# Altium PCB HTBLEBMSALL24S100A_PCB_V0.2_260323.pcbdoc (part 6 of 7) (continued)
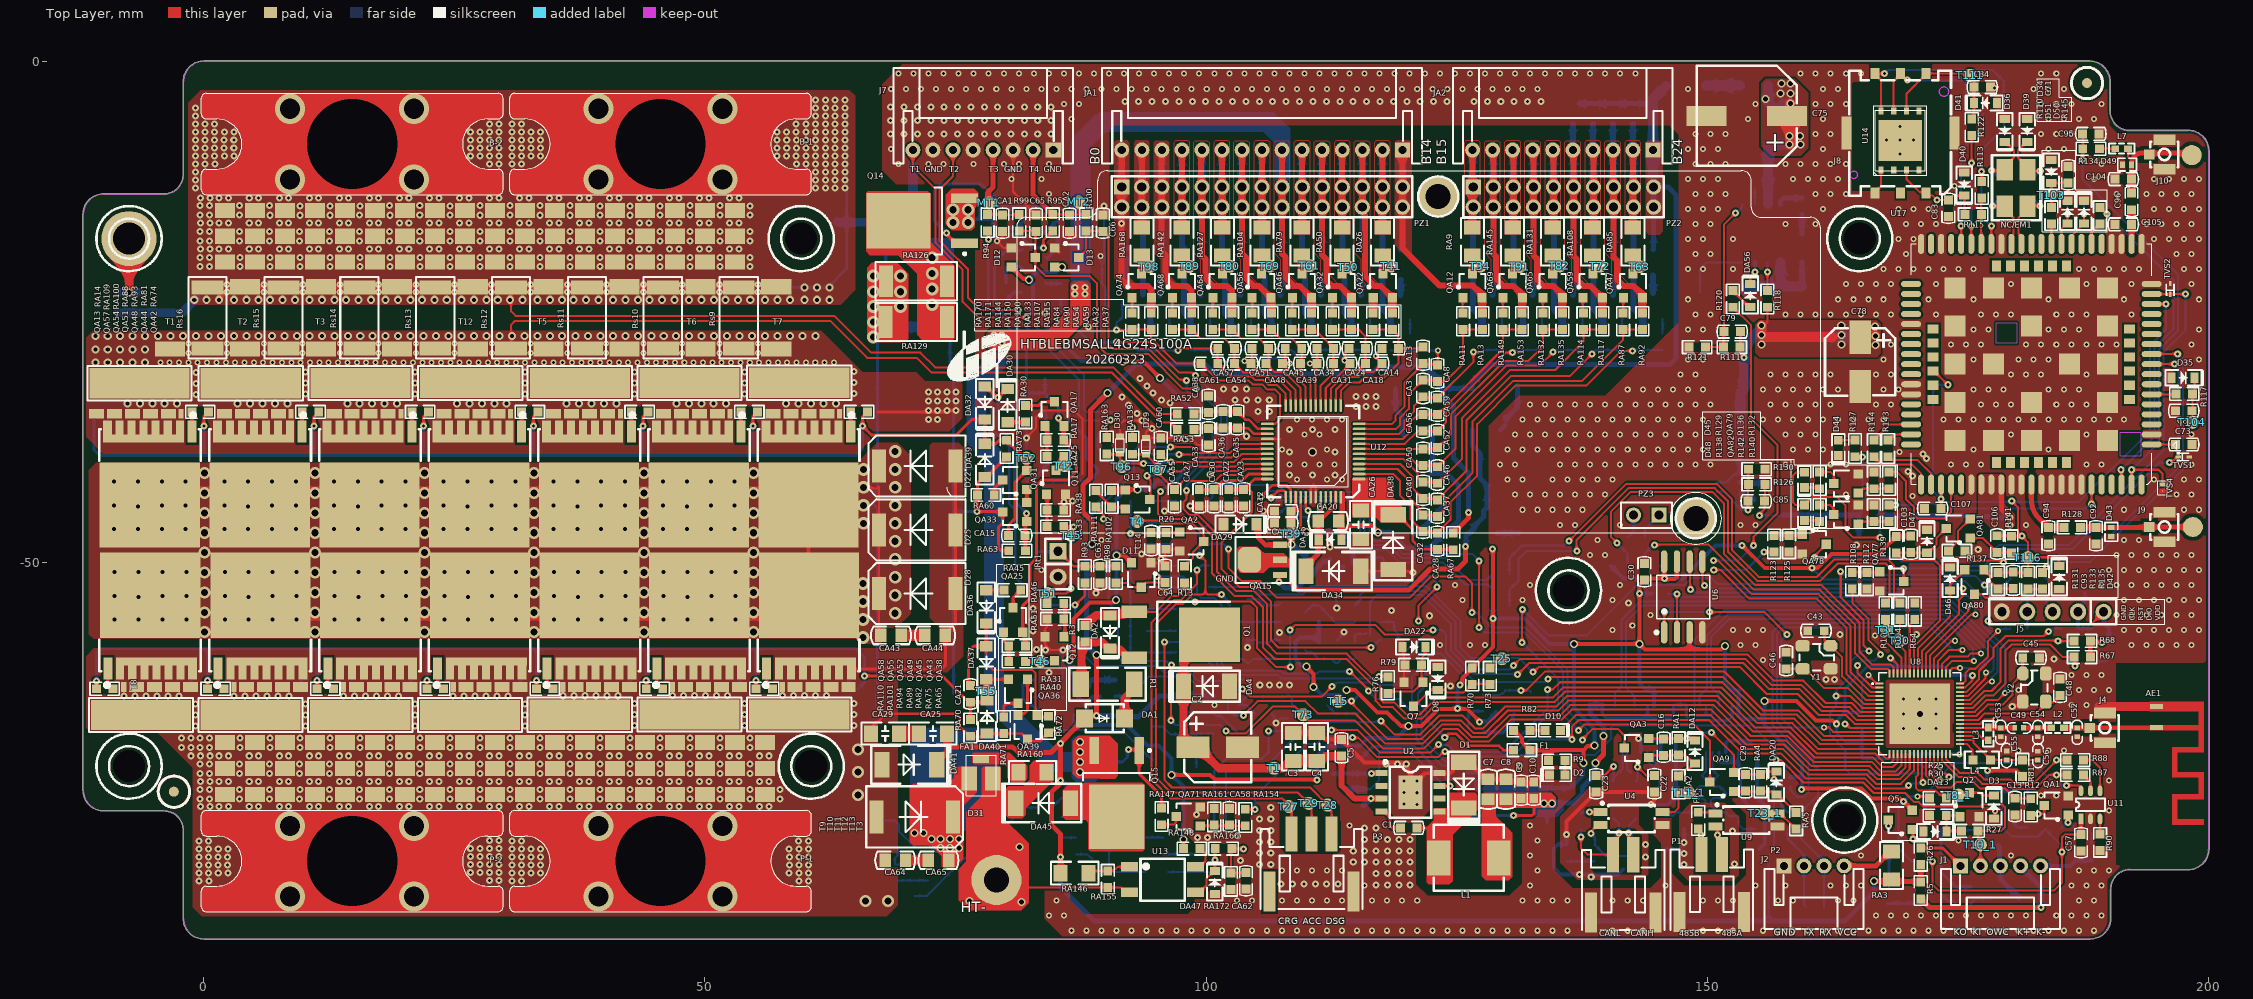
[diagram p0: Top Layer view]
## Nets (pads, with @x,y where several pads share a name; then routed paths per layer and width w, separated by ;. In a path a pad name is that pad's centre, name@x,y a point inside that pad or via, vN(x,y) a via of type N, cw(c..) or ccw(c..) an arc to the next point about the centre after c; other vN are vias at no path point) (continued)
  Bottom Layer w0.2: v1(160.71,-49.49) 168.968,-49.49 169.338,-49.859 177.461,-49.859 179.08,-48.24 186.04,-48.24 195.51,-38.77 195.51,-28.999 197.71,-26.799 v1(197.71,-23.199)
RS: CA41.1 D20.1 D21.1 D23.1 D24.1 D26.1 D27.1 DA39.1 DA42.1 pad.6@2.072,-35.152 pad.6@3.679,-35.147 pad.6@3.864,-35.152 pad.6@4.126,-28.685 pad.6@5.368,-35.147 pad.6@5.656,-35.152 pad.6@7.233,-35.147 pad.6@7.448,-35.152 pad.6@8.718,-35.152 pad.6@9.104,-35.147 pad.6@11.696,-28.685 pad.6@13.017,-35.152 pad.6@14.624,-35.147 pad.6@14.809,-35.152 pad.6@16.313,-35.147 pad.6@16.601,-35.152 pad.6@18.178,-35.147 pad.6@18.393,-35.152 pad.6@19.266,-28.685 pad.6@19.662,-35.152 pad.6@20.049,-35.147 pad.6@23.962,-35.152 pad.6@25.569,-35.147 pad.6@25.754,-35.152 pad.6@26.835,-28.685 pad.6@27.258,-35.147 pad.6@27.546,-35.152 pad.6@29.123,-35.147 pad.6@29.338,-35.152 pad.6@30.608,-35.152 pad.6@30.994,-35.147 pad.6@34.405,-28.685 pad.6@34.907,-35.152 pad.6@36.514,-35.147 pad.6@36.699,-35.152 pad.6@38.203,-35.147 pad.6@38.491,-35.152 pad.6@40.068,-35.147 pad.6@40.283,-35.152 pad.6@41.552,-35.152 pad.6@41.939,-35.147 pad.6@41.974,-28.685 pad.6@45.852,-35.152 pad.6@47.459,-35.147 pad.6@47.643,-35.152 pad.6@49.148,-35.147 pad.6@49.435,-35.152 pad.6@49.544,-28.685 pad.6@51.012,-35.147 pad.6@51.227,-35.152 pad.6@52.497,-35.152 pad.6@52.884,-35.147 pad.6@56.796,-35.152 pad.6@57.113,-28.685 pad.6@58.404,-35.147 pad.6@58.588,-35.152 pad.6@60.38,-35.152 pad.6@60.093,-35.147 pad.6@61.957,-35.147 pad.6@62.172,-35.152 pad.6@63.442,-35.152 pad.6@63.829,-35.147 pad.6@-1.886,-35.147 pad.6@-2.272,-35.152 pad.6@-3.367,-28.685 pad.6@-3.542,-35.152 pad.6@-3.759,-35.147 pad.6@-5.334,-35.152 pad.6@-5.633,-35.147 pad.6@-7.126,-35.152 pad.6@-7.507,-35.147 pad.6@-8.918,-35.152 pad.6@-10.71,-35.152 Q14.3 QA13.2 QA13.3 QA13.4 QA13.5 QA13.6 QA13.7 QA13.8 QA18.2 QA18.3 QA18.4 QA18.5 QA18.6 QA18.7 QA18.8 QA20.2 QA20.3 QA20.4 QA20.5 QA20.6 QA20.7 QA20.8 QA23.2 QA23.3 QA23.4 QA23.5 QA23.6 QA23.7 QA23.8 QA27.2 QA27.3 QA27.4 QA27.5 QA27.6 QA27.7 QA27.8 QA29.2 QA29.3 QA29.4 QA29.5 QA29.6 QA29.7 QA29.8 QA33.3 QA34.2 QA34.3 QA34.4 QA34.5 QA34.6 QA34.7 QA34.8 QA37.2 QA37.3 QA37.4 QA37.5 QA37.6 QA37.7 QA37.8 QA42.2 QA42.3 QA42.4 QA42.5 QA42.6 QA42.7 QA42.8 QA44.2 QA44.3 QA44.4 QA44.5 QA44.6 QA44.7 QA44.8 QA48.2 QA48.3 QA48.4 QA48.5 QA48.6 QA48.7 QA48.8 QA51.2 QA51.3 QA51.4 QA51.5 QA51.6 QA51.7 QA51.8 QA54.2 QA54.3 QA54.4 QA54.5 QA54.6 QA54.7 QA54.8 QA57.2 QA57.3 QA57.4 QA57.5 QA57.6 QA57.7 QA57.8 RA53.1 RA60.1 RA63.1 RA73.2 RA125.1 Rs1.2 Rs2.2 Rs3.2 Rs4.2 Rs5.2 Rs6.2 Rs7.2 Rs8.2 Rs9.2 Rs10.2 Rs11.2 Rs12.2 Rs13.2 Rs14.2 Rs15.2 Rs16.2 T1.1@-6.419,-32.1 T2.1@4.681,-32.1 T3.1@15.627,-32.09 T5.1@37.52,-32.07 T6.1 T7.1 T12.1@26.573,-32.08 T15.1@-6.419,-32.1 T16.1@4.681,-32.1 T17.1 T18.1 T19.1 T20.1 T21.1 T59.1 | length 144.9
  Top Layer w0.2: Rs12.2@30.658,-28.627 30.658,-26.265 31.045,-25.878 62.485,-25.878 66.184,-29.576 71.141,-29.576 72.587,-31.022 90.56,-31.022 95.554,-36.016 96.44,-36.016 RA53.1@97.118,-36.694
  Top Layer w0.3: 67.225,-34.984 74.149,-34.984 74.299,-34.834 75.079,-34.834 v1@75.099,-34.814 ; v1(77.133,-44.903) 77.169,-44.867 77.169,-43.283 RA60.1@77.205,-43.247 77.205,-42.026 77.966,-41.265 78.093,-41.265 78.272,-41.086 78.452,-41.086 RA73.2@80.1,-39.437 ; v1@77.229,-44.879 77.253,-44.903 79.661,-44.903 QA33.3@79.694,-44.936 79.694,-46.066 79.262,-46.498 79.262,-48.53 79.542,-48.81 RA63.1@80.306,-48.81
  Bottom Layer w0.3: CA41.1@74.436,-26.191 74.436,-30.369 D26.1@74.817,-30.75 74.817,-32.967 74.817,-33.89 74.987,-34.06 74.987,-34.78 75.099,-34.892 74.817,-35.174 D24.1@74.817,-37.207 74.817,-40.616 ; D21.1@74.817,-63.034 D23.1@74.817,-56.577 D20.1@74.817,-50.12 D27.1@74.817,-44.355 ; T59.1@76.668,-40.586 74.847,-40.586 74.817,-40.616 ; 76.974,-15.754 76.989,-15.739 77.417,-15.739 ; v1(77.133,-44.903) 75.366,-44.903 D27.1@74.817,-44.355 ; 77.417,-14.23 77.417,-15.739 ; RA125.1@78.599,-15.739 77.417,-15.739 ; RA125.1@78.706,-15.627 78.706,-15.739 78.706,-16.418 78.887,-16.599 81.105,-16.599 81.864,-15.839 DA42.1@81.864,-15.712 ; D27.1@74.817,-44.355 D27.1@74.817,-43.664 74.817,-40.616
  other v1: 72.293,-35.737 73.217,-35.737 72.293,-34.814 73.217,-34.814 74.14,-34.814 75.064,-34.814 72.293,-33.89 73.217,-33.89 74.14,-33.89 75.064,-33.89 -0.798,-33.203 10.149,-33.192 21.095,-33.182 32.041,-33.172 42.987,-33.162 53.933,-33.152 64.879,-33.142 72.293,-32.967 73.217,-32.967 74.14,-32.967 75.064,-32.967 -0.798,-32.105 10.149,-32.095 21.095,-32.085 32.041,-32.075 42.987,-32.065 53.933,-32.054 64.879,-32.044 -0.798,-31.008 10.149,-30.998 21.095,-30.988 32.041,-30.977 42.987,-30.967 53.933,-30.957 64.879,-30.947
  other v2: -4.34,-30.017 -3.406,-30.017 -2.473,-30.017 -1.539,-30.017 -0.606,-30.017 0.328,-30.017 1.261,-30.017 2.195,-30.017 3.128,-30.017 4.061,-30.017 4.995,-30.017 5.928,-30.017 6.862,-30.017 7.795,-30.017 8.729,-30.017 9.662,-30.017 10.596,-30.017 11.529,-30.017 12.462,-30.017 13.396,-30.017 14.329,-30.017 15.263,-30.017 16.196,-30.017 17.13,-30.017 18.063,-30.017 18.997,-30.017 19.93,-30.017 20.864,-30.017 21.797,-30.017 22.73,-30.017 23.664,-30.017 24.597,-30.017 25.531,-30.017 26.464,-30.017 27.398,-30.017 28.331,-30.017 29.265,-30.017 30.198,-30.017 31.131,-30.017 32.065,-30.017 32.998,-30.017 33.932,-30.017 34.865,-30.017 35.799,-30.017 36.732,-30.017 37.666,-30.017 38.599,-30.017 39.533,-30.017 40.466,-30.017 41.399,-30.017 42.333,-30.017 43.266,-30.017 44.2,-30.017 45.133,-30.017 46.067,-30.017 47,-30.017 47.934,-30.017 48.867,-30.017 49.8,-30.017 50.734,-30.017 51.667,-30.017 52.601,-30.017 53.534,-30.017 54.468,-30.017 55.401,-30.017 56.335,-30.017 57.268,-30.017 58.202,-30.017 59.135,-30.017 60.068,-30.017 61.002,-30.017 61.935,-30.017 62.869,-30.017 -1.539,-29.084 2.299,-29.084 6.03,-29.084 9.869,-29.084 13.6,-29.084 17.438,-29.084 21.169,-29.084 25.008,-29.084 28.739,-29.084 32.577,-29.084 36.309,-29.084 40.147,-29.084 43.878,-29.084 47.717,-29.084 51.448,-29.084 55.286,-29.084 -1.539,-28.15 2.299,-28.15 6.03,-28.15 9.869,-28.15 13.6,-28.15 17.438,-28.15 21.169,-28.15 25.008,-28.15 28.739,-28.15 32.577,-28.15 36.309,-28.15 40.147,-28.15 43.878,-28.15 47.717,-28.15 51.448,-28.15 55.286,-28.15
  other v3: -7.62,-34.119 -6.379,-34.119 -5.138,-34.119 -3.898,-34.119 -2.657,-34.119 3.37,-34.119 4.61,-34.119 5.851,-34.119 7.092,-34.119 8.333,-34.119 14.314,-34.119 15.555,-34.119 16.796,-34.119 18.037,-34.119 19.278,-34.119 25.259,-34.119 26.5,-34.119 27.741,-34.119 28.982,-34.119 30.223,-34.119 36.204,-34.119 37.445,-34.119 38.686,-34.119 39.927,-34.119 41.167,-34.119 47.149,-34.119 48.39,-34.119 49.631,-34.119 50.872,-34.119 52.112,-34.119 58.094,-34.119 59.335,-34.119 60.576,-34.119 61.817,-34.119 63.057,-34.119 -10.822,-30.04 -9.581,-30.04 -8.34,-30.04 -7.099,-30.04 -5.859,-30.04 -10.822,-28.714 -9.581,-28.714 -8.34,-28.714 -7.099,-28.714 -5.859,-28.714 -10.822,-27.388 -9.581,-27.388 -8.34,-27.388 -7.099,-27.388 -5.859,-27.388 -4.572,-27.388 -3.331,-27.388 -2.091,-27.388 -0.771,-27.388 0.47,-27.388 1.711,-27.388 2.997,-27.388 4.238,-27.388 5.479,-27.388 6.799,-27.388 8.04,-27.388 9.28,-27.388 10.567,-27.388 11.808,-27.388 13.049,-27.388 14.368,-27.388 15.609,-27.388 16.85,-27.388 18.137,-27.388 19.377,-27.388 20.618,-27.388 21.938,-27.388 23.179,-27.388 24.42,-27.388 25.706,-27.388 26.947,-27.388 28.188,-27.388 29.508,-27.388 30.748,-27.388 31.989,-27.388 33.276,-27.388 34.516,-27.388 35.757,-27.388 37.077,-27.388 38.318,-27.388 39.559,-27.388 40.845,-27.388 42.086,-27.388 43.327,-27.388 44.647,-27.388 45.888,-27.388 47.128,-27.388 48.415,-27.388 49.656,-27.388 50.896,-27.388 52.216,-27.388 53.457,-27.388 54.698,-27.388 55.984,-27.388 57.225,-27.388 58.466,-27.388 59.732,-27.388 61.019,-27.388
  other v6: 74.754,-16.071 76.257,-16.071 74.754,-14.794 76.257,-14.794
RS485_RX: U7.1 U8.51 | length 42.7
  Top Layer w0.2: U8.51@173.394,-61.077 173.394,-60.136 174.161,-59.369 175.97,-59.369 176.29,-59.049 v2(177.32,-59.049)
  Bottom Layer w0.2: U7.1@149.218,-64.285 149.218,-63.271 149.97,-62.519 149.97,-57.229 152.01,-55.19 173.791,-55.19 177.226,-58.625 177.226,-58.955 v2(177.32,-59.049)
RS485_TX: U7.4 U8.50 | length 40.3
  Top Layer w0.2: U8.50@173.794,-61.077 173.794,-60.425 174.42,-59.799 v2(176.59,-59.799)
  Bottom Layer w0.2: U7.4@151.179,-64.285 151.179,-63.218 150.37,-62.409 150.37,-57.409 152.16,-55.62 173.56,-55.62 176.526,-58.586 176.526,-59.735 v2(176.59,-59.799)
SCK: R89.1 U8.48 | length 8.7
  Top Layer w0.2: U8.48@175.194,-62.077 175.494,-62.077 175.494,-62.065 175.75,-61.81 175.75,-61.02 176.17,-60.599 176.74,-60.599 178.02,-59.319 178.02,-57.8 179.011,-56.809 v2(179.02,-56.809)
  Bottom Layer w0.2: v2(179.02,-56.809) 179.156,-56.809 179.358,-56.607 180.19,-56.607 R89.1@180.247,-56.549
Shield: CA47.1 CA49.1 pad.2@-7.456,-17.669 | length 12.9
  Top Layer w0.85: v4@-7.456,-23.031 pad.2@-7.456,-17.669
  Bottom Layer w0.85: CA49.1@-8.586,-23 v4@-7.456,-23 ; pad.2@-7.456,-17.669 v4@-7.456,-23 ; v4(-7.443,-23.031) -7.443,-23.005 v4@-7.448,-23 ; CA47.1@-6.376,-23 v4@-7.448,-23 ; v4@-7.456,-23 v4@-7.448,-23
SRN: CA35.2 CA36.2 CA38.2 RA52.2 U12.26 | length 8.2
  Top Layer w0.254: RA52.2@98.769,-35.17 99.023,-34.916 CA36.2@101.69,-34.916 CA35.2@103.113,-34.916 103.919,-35.722 104.249,-35.722 105.181,-36.654 U12.26@106.11,-36.654
SRP: CA33.1 CA35.1 CA36.1 RA53.2 U12.27 | length 7.6
  Top Layer w0.254: RA53.2@98.769,-36.694 98.896,-36.567 CA36.1@101.69,-36.567 CA35.1@103.113,-36.567 104.18,-36.567 104.766,-37.154 U12.27@106.11,-37.154
STAT: R57.2 R59.1 U8.64 | length 33.4
  Top Layer w0.2: v1(144.73,-48.25) 144.77,-48.21 150.141,-48.21 154.61,-52.679 161.22,-52.679 164.75,-56.209 164.75,-59.039 166.31,-60.599 168.016,-60.599 168.194,-60.777 U8.64@168.194,-61.077
  Bottom Layer w0.2: R57.2@143.72,-50.47 143.72,-50.369 R57.2@143.769,-50.32 143.78,-50.309 R59.1@143.78,-49.05 144.485,-48.346 144.634,-48.346 v1(144.73,-48.25)
STAT2645: PZ3.1 R59.2 | length 2.7
  Bottom Layer w0.2: R59.2@143.78,-47.399 143.78,-46.66 PZ3.1@145.185,-45.255
Status: R140.1 U17.66 | length 22.2
  Top Layer w0.2: R140.1@168.14,-44.253 168.163,-44.23 v1(168.79,-44.23) ; U17.66@188.326,-42.568 188.328,-42.57 188.328,-44.147 v1(188.33,-44.149)
  Bottom Layer w0.2: v1(168.79,-44.23) 170.722,-44.23 170.853,-44.099 172.649,-44.099 173.13,-44.58 187.764,-44.58 188.195,-44.149 v1(188.33,-44.149)
SWD: R96.1 U8.46 | length 13.7
  Top Layer w0.2: U8.46@175.194,-62.877 175.863,-62.877 177.1,-61.64 177.1,-60.809 178.53,-59.379 178.53,-58.549 179.768,-57.312 183.575,-57.312 184.03,-56.856 v1(184.03,-56.849)
  Bottom Layer w0.2: v1(184.03,-56.849) 184.166,-56.849 184.466,-56.549 R96.1@185.326,-56.549
SWD_CLK: D17.2 J5.4 R84.2 R89.2 | length 7
  Bottom Layer w0.2: R84.2@180.253,-53.181 181.761,-53.181 D17.2@181.929,-53.012 181.929,-56.518 R89.2@181.898,-56.549 181.916,-56.531 J5.4@181.916,-54.895
SWD_DIO: D16.2 J5.2 R83.2 R96.2 | length 5.3
  Bottom Layer w0.3: R96.2@186.977,-56.549 R96.2@186.987,-56.54 ; D16.2@187.666,-53.012 187.666,-53.869 186.996,-54.539 J5.2@186.996,-54.895 186.987,-54.904 R96.2@186.987,-56.54 ; R83.2@188.445,-56.549 186.996,-56.549 R96.2@186.987,-56.54
TRegAi: C67.2 D14.3 R101.2 U8.14 | length 44.5
  Top Layer w0.2: v1(131.41,-62.73) 131.94,-62.73 133.825,-60.845 151.665,-60.845 155.552,-64.732 159.078,-64.732 161.623,-67.277 U8.14@167.194,-67.277
  Bottom Layer w0.2: R101.2@127.647,-63.201 R101.2@127.614,-63.168 127.63,-63.184 129.339,-63.184 D14.3@129.511,-63.013 ; D14.3@129.578,-63.081 129.873,-62.786 D14.3@129.793,-62.706 ; D14.3@129.817,-62.73 132.215,-62.73 C67.2@132.412,-62.927
TX_RXD: F2.1 J1.3 T14.1@179.069,-78.329 | length 6.1
  Bottom Layer w0.5: T14.1@179.01,-78.27 179.128,-78.388 179.128,-80.122 J1.3@179.246,-80.24 179.246,-81.593 180.468,-82.816 180.595,-82.816 181.107,-83.328 F2.1@181.107,-83.455
U_BT: C80.2 D35.2 R117.2 T104.1 | length 4.6
  Top Layer w0.2: T104.1@198.4,-36.01 198.4,-34.877 C80.2@198.365,-34.842 198.415,-34.791 R117.2@198.415,-33.157 198.61,-32.962 D35.2@198.61,-31.559
U_CLK: C84.1 D41.2 J8.C3 R122.1 T111.1 U14.6 | length 13.8
  Top Layer w0.2: U14.6@169.868,-4.932 169.868,-3.227 171.809,-1.285 J8.C3@171.809,-1.185 176.218,-1.185 176.61,-1.578 C84.1@176.61,-2.552 176.595,-2.566 176.595,-5.521 R122.1@176.381,-5.735
U_DATA: C83.1 D40.2 J8.RM R115.1 T110.1 U14.3 | length 10.8
  Top Layer w0.2: U14.3@169.868,-10.832 169.868,-11.728 171.175,-13.035 171.709,-13.035 J8.RM@171.809,-13.135 ; J8.RM@171.759,-13.185 171.954,-13.38 172.47,-13.38 v1(172.93,-13.84) 174.023,-13.84 174.489,-13.374 D40.2@175.633,-13.374 175.633,-15.19 R115.1@175.687,-15.244
  Bottom Layer w0.2: v1(172.93,-13.84) 172.939,-13.831 174.032,-13.831 T110.1@174.04,-13.823
U_DM: D36.2 NC/EM1.1 R119.2 T106.1 | length 6.3
  Top Layer w0.2: v1(178.344,-10.896) 179.553,-10.896 NC/EM1.1@179.671,-10.778 179.671,-10.503 180.579,-9.596 180.579,-8.845 179.774,-8.04 D36.2@179.673,-8.04
  Bottom Layer w0.2: v1(178.344,-10.896) 178.394,-10.896 R119.2@179.318,-11.82
U_DP: D39.2 NC/EM1.3 R124.2 T107.1 | length 6.2
  Top Layer w0.2: D39.2@181.914,-8.04 181.812,-8.04 181.011,-8.841 181.011,-9.608 181.206,-9.803 181.221,-9.803 181.921,-10.503 NC/EM1.3@181.921,-10.778 182.079,-10.936 v1(183.213,-10.936)
  Bottom Layer w0.2: R124.2@182.291,-11.82 183.176,-10.936 v1(183.213,-10.936)
U_RST: C81.1 D38.2 J8.C2 R116.1 T109.1 U14.7 | length 14.1
  Top Layer w0.2: U14.7@168.598,-4.932 168.598,-1.967 J8.C2@169.28,-1.285 ; J8.C2@169.28,-1.185 J8.C2@169.28,-1.285 ; v1(169.98,-1.849) 169.885,-1.754 169.748,-1.754 J8.C2@169.28,-1.285
  Bottom Layer w0.2: v1(169.98,-1.849) 170.022,-1.89 C81.1@175.829,-1.89 175.829,-1.986 D38.2@175.829,-3.529 R116.1@175.829,-5.167
U_VBUS: C71.2 D34.2 R110.2 T103.1 | length 4.1
  Top Layer w0.2: R110.2@184.326,-14.546 184.326,-12.126 D34.2@184.32,-12.12 184.421,-12.12 C71.2@185.998,-12.12
U_VDD: C68.1 C70.1 D37.2 J8.C1 R113.1 T108.1 U14.8 U17.30 | length 36.1
  Top Layer w0.2: J8.C1@166.72,-1.215 166.725,-1.21 v1(167.69,-1.21) ; J8.C1@166.749,-1.285 167.328,-1.864 U14.8@167.328,-4.932 ; R113.1@177.374,-11.958 v1(177.374,-10.958) ; U17.30@178.326,-18.568 178.333,-18.561 178.333,-16.557 v1@178.34,-16.549
  Bottom Layer w0.2: v1(167.69,-1.21) 167.697,-1.21 168.057,-0.85 178.451,-0.85 179.59,-1.989 C70.1@179.59,-3.509 179.59,-6.599 T108.1@177.374,-8.815 v1(177.374,-10.958) 177.374,-15.423 v1(178.34,-16.39)
UARTxR\x\m\: U7.2 U7.3 U8.49 | length 48.8
  Top Layer w0.2: U8.49@174.194,-61.077 174.194,-60.777 174.461,-60.51 175.199,-60.51 v2(175.22,-60.489)
  Bottom Layer w0.2: U7.2@149.879,-64.285 149.879,-65.289 ; U7.3@150.529,-64.285 150.502,-64.312 150.502,-65.114 150.327,-65.289 149.879,-65.289 ; v2(175.22,-60.489) 177.14,-60.489 178.02,-59.609 178.02,-58.789 173.971,-54.74 151.65,-54.74 148.7,-57.689 148.7,-65.082 148.908,-65.289 149.879,-65.289
USB_BT: R117.1 U17.6 | length 2.5
  Top Layer w0.2: U17.6@194.33,-33.199 196.722,-33.199 R117.1@196.764,-33.157
USB_DM: NC/EM1.4 R119.1 U17.28 | length 6.8
  Top Layer w0.2: v1(178.462,-14.428) NC/EM1.4@179.671,-14.428 ; NC/EM1.4@179.667,-14.703 179.671,-14.703 180.371,-15.403 180.371,-15.408 180.554,-15.59 180.554,-17.182 180.326,-17.41 U17.28@180.326,-18.568
  Bottom Layer w0.2: v1(178.462,-14.428) 178.462,-14.327 R119.1@179.318,-13.471
USB_DP: NC/EM1.2 R124.1 U17.27 | length 7.1
  Top Layer w0.2: U17.27@181.326,-18.568 181.326,-17.446 181.059,-17.179 181.059,-15.56 181.217,-15.403 181.917,-14.703 181.917,-14.566 182.082,-14.4 v1(183.169,-14.4)
  Bottom Layer w0.2: R124.1@182.291,-13.471 183.169,-14.349 v1(183.169,-14.4)
USB_VBUS: R110.1 U17.24 | length 2.4
  Top Layer w0.2: U17.24@184.326,-18.568 R110.1@184.326,-16.197
V1P8: CA27.2 CA30.2 U12.35 | length 7.5
  Top Layer w0.3: CA27.2@99.316,-42.758 100.786,-42.758 101.719,-41.825 103.579,-41.825 104.25,-41.154 U12.35@106.11,-41.154
V3P3: CA22.2 CA23.2 D19.1 U12.36 | length 36
  Top Layer w0.2: CA23.2@103.726,-42.711 104.292,-42.711 104.581,-43.001 104.581,-43.699 104.581,-44.928 101.513,-47.997 101.513,-50.588 103.367,-52.442 105.043,-52.442 106.491,-53.89 106.491,-57.75 107.202,-58.462 v1(116.448,-58.462)
  Top Layer w0.3: CA22.2@102.256,-42.758 102.325,-42.688 103.726,-42.688 CA23.2@103.726,-42.711 103.726,-42.751 103.746,-42.731 103.766,-42.711 104.824,-41.654 U12.36@106.11,-41.654
  Bottom Layer w0.2: v1(116.448,-58.462) 116.549,-58.462 117.311,-57.7 D19.1@117.413,-57.7
VBASE: CA9.2 CA10.2 Q9.2 RA23.1 T37.1 U12.40 | length 14.5
  Top Layer w0.25: U12.40@109.432,-43.476 109.432,-46.398 v4(109.989,-46.955)
  Bottom Layer w0.54: v4(109.989,-46.955) 109.999,-46.966 112.788,-46.966 CA10.2@112.798,-46.976 CA9.2@114.246,-46.976 114.246,-48.296 114.691,-48.741 114.691,-50.062 116.016,-51.388 Q9.2@116.041,-51.388 116.137,-51.292 RA23.1@117.343,-51.292
VBAT: C97.2 C98.2 C99.2 C100.2 C101.2 C102.2 D45.1 D48.1 FB1.2 T114.1 U17.55 U17.56 U17.57 | length 36.4
  Top Layer w0.2: D45.1@159.69,-40.979 158.85,-40.979 158.55,-41.279 158.55,-43.989 158.82,-44.259 D48.1@159.69,-44.259 160.52,-43.429 162.93,-43.429 163.77,-44.269 163.77,-46.719 164.56,-47.509 v1(167.23,-47.509)
  Top Layer w0.5: U17.57@179.33,-42.573 179.33,-44.65 v1(180.17,-45.49)
  Bottom Layer w0.2: T114.1@167.14,-43.75 FB1.2@167.141,-45.262 167.23,-45.352 v1(167.23,-47.509)
  Bottom Layer w0.5: FB1.2@167.141,-45.262 167.171,-45.293 175.972,-45.293 C100.2@176.003,-45.323 ; C100.2@176.051,-45.4 178.87,-45.4 179.04,-45.569 179.081,-45.528 180.132,-45.528 v1(180.17,-45.49)
  other v1: 180.17,-46.26
VCP: CA20.1 DA34.2 DA35.2 U12.47 | length 10.1
  Top Layer w0.2: CA20.1@110.974,-45.635 111.331,-45.277 111.992,-45.277 112.922,-44.347 112.922,-43.486 U12.47@112.932,-43.476
  Top Layer w0.5: DA34.2@109.971,-50.842 109.971,-50.334 111.177,-49.127 DA35.2@111.177,-48.162 ; 111.177,-46.955 DA35.2@111.177,-48.162 ; CA20.1@111.177,-45.838 DA35.2@111.177,-48.162
VDD_2V8: C95.2 R134.1 TVS4.2 U17.99 | length 45.5
  Top Layer w0.2: v1(187.44,-9.77) 187.455,-9.755 R134.1@187.455,-8.704 ; C95.2@187.442,-7.22 187.465,-7.243 R134.1@187.465,-8.694 ; U17.99@192.326,-42.568 192.33,-42.563 U17.99@192.33,-42.199 v1(192.33,-40.729) 195.01,-40.729 195.41,-41.129 TVS4.2@195.41,-42.189
  Bottom Layer w0.2: v1(187.44,-9.77) 187.44,-11.729 196.97,-21.259 196.97,-26.839 195.06,-28.749 195.06,-37.999 v1(192.33,-40.729)
VDD_EXT: C93.2 C106.2 C107.2 C108.2 D42.2 R131.2 R133.1 R141.2 T116.1 U17.15 U17.97 U17.116 | length 72.8
  Top Layer w0.2: U17.116@172.53,-30.899 172.63,-30.899 173.98,-32.249 v1(174.01,-32.249) ; C107.2@173.33,-44.669 v1(173.33,-43.669) U17.97@173.33,-42.573 ; C106.2@178.912,-47.317 180.394,-47.317 180.427,-47.35 v1(181.39,-47.35) ; R131.2@179.016,-50.992 180.519,-50.992 R133.1@181.986,-50.992 T116.1@181.986,-49.458 ; v1(180.37,-43.85) 180.98,-44.46 180.98,-46.94 v1(181.39,-47.35) ; D42.2@185.106,-50.338 185.07,-50.302 185.07,-49.749 184.78,-49.458 T116.1@181.986,-49.458 ; U17.15@194.684,-24.209 v1(195.76,-24.209) ; v1(181.39,-47.35) 181.986,-47.946 T116.1@181.986,-49.458
  Bottom Layer w0.2: C108.2@172.526,-32.349 C108.2@172.526,-32.609 ; v1(174.01,-32.249) 172.87,-32.249 172.786,-32.334 172.786,-32.349 C108.2@172.526,-32.609 ; v1(195.76,-24.209) 195.76,-26.719 194.17,-28.309 194.17,-36.819 187.06,-43.929 173.698,-43.929 173.438,-43.669 v1(173.33,-43.669) 172.526,-42.864 C108.2@172.526,-32.609
VISO_5V: C38.2 C39.2 C40.2 R60.1 U7.10 U7.11 U7.13 | length 10.5
  Bottom Layer w0.3: U7.13@151.179,-68.896 151.182,-68.899 151.182,-69.761 151.401,-69.98 152.479,-69.98 ; U7.11@152.479,-68.896 152.479,-69.98 ; U7.10@153.129,-68.896 153.129,-69.98 ; C38.2@153.229,-70.619 153.129,-70.519 153.129,-69.98 ; C40.2@153.329,-73.431 C39.2@153.329,-72.075 C38.2@153.329,-70.719 ; C40.2@153.352,-73.431 153.352,-73.453 153.624,-73.725 153.646,-73.725 154.516,-74.595 154.516,-74.611 154.795,-74.889 R60.1@154.81,-74.889 ; 152.479,-69.98 153.129,-69.98
VLTE: C85.1 C90.2 C91.2 FB1.1 L6.2 R126.2 R127.1 T112.1 TVS3.1 | length 22.3
  Top Layer w0.2: v1(155.22,-45.28) 155.22,-45.145 155.69,-44.675 C85.1@155.69,-43.862 155.741,-43.811 R126.2@155.741,-42.189 ; R127.1@164.39,-39.775 R127.1@164.735,-39.43 ; R127.1@164.754,-39.43 164.783,-39.46 v1(165.47,-39.46)
  Bottom Layer w0.2: v1(155.22,-45.28) 157.568,-45.28 L6.2@157.576,-45.272 ; FB1.1@165.109,-45.262 165.372,-44.999 165.372,-44.419 165.47,-44.32 v1(165.47,-39.46)
  Bottom Layer w0.5: L6.2@157.576,-45.272 157.586,-45.262 FB1.1@165.109,-45.262 TVS3.1@165.109,-47.208
VREG: CA11.2 CA12.2 DA29.2 QA15.3 RA24.2 T39.1 U12.39 | length 12.3
  Top Layer w0.2: CA12.2@108.498,-44.873 108.932,-44.438 U12.39@108.932,-43.476
  Top Layer w0.5: DA29.2@105.018,-46.168 105.234,-46.385 105.234,-47.553 105.907,-48.225 QA15.3@107.228,-48.225 ; QA15.3@107.228,-48.212 108.511,-48.212 v4(108.523,-48.2) 108.498,-48.175 108.498,-46.066 CA12.2@108.498,-44.873
  Bottom Layer w0.5: v4(108.523,-48.2) 108.561,-48.238 108.714,-48.238 RA24.2@110.225,-49.749
VTOP: CA16.2 CA17.2 CA20.2 DA33.2 DA35.1 RA43.2 T48.1 U12.48 | length 29.5
  Top Layer w0.5: CA20.2@113.006,-45.635 113.578,-45.063 113.578,-43.095 ; CA20.2@113.209,-45.838 113.531,-46.159 113.531,-47.098 113.541,-47.108 113.564,-47.108 114.358,-46.315 116.506,-46.315 117.131,-46.94 v4(117.131,-47.006)
  Bottom Layer w0.5: v4(117.131,-47.006) 117.17,-46.968 118.162,-46.968 118.2,-46.93 118.289,-46.93 119.885,-48.526 122.294,-48.526 123.585,-47.235 123.839,-47.235 124.288,-46.786 124.288,-46.659 125.185,-45.762 125.185,-42.266 T48.1@124.596,-41.677 124.007,-41.088 DA33.2@122.442,-41.088 ; RA43.2@122.442,-36.745 122.595,-36.897 DA33.2@122.595,-41.063
WAKE: R85.2 R87.2 U8.30 | length 16
  Top Layer w0.2: U8.30@173.394,-69.077 173.394,-69.724 175.04,-71.37 176.723,-71.37 177.416,-72.063 180.005,-72.063 180.544,-72.602 182.672,-72.602 184.104,-71.169 v1@184.835,-71.169 ; v1(184.829,-71.169) v1@184.835,-71.169 ; R87.2@185.879,-71.169 v1@184.835,-71.169
  Bottom Layer w0.2: v1(184.829,-71.169) R85.2@185.879,-71.169
pads on no net: ?.1 B-1.1@45.55,-8.229 B-2.1@14.802,-8.229 J8.C6 P3.0@106.32,-82.8 P-1.1@45.55,-79.769 P-2.1@14.802,-79.769 U2.2 U2.6 U3.2 U3.3 U3.13 U3.16 U7.16 U12.45 U12.46 U14.2 U14.4 U14.5 U17.3 U17.4 U17.5 U17.7 U17.8 U17.11 U17.12 U17.13 U17.14 U17.19 U17.21 U17.25 U17.26 U17.34 U17.35 U17.36 U17.37 U17.38 U17.40 U17.41 U17.42 U17.43 U17.44 U17.47 U17.48 U17.51 U17.53 U17.67 U17.68 U17.93 U17.100 U17.101 U17.102 U17.103 U17.104 U17.105 U17.106 U17.107 U17.108 U17.109 U17.110 U17.111 U17.112 U17.113 U17.114 U17.115 U17.117 U17.118 U17.119 U17.120 U17.121 U17.122 U17.123 U17.124

## Polygon pours and split planes (outlines as drawn)
GND on Bottom Layer "NONET_L-01_P-001" (solid, remove dead copper, pour order 113): 69.495,-0.465 189.055,-0.465 190.145,-1.555 190.145,-6.475 190.915,-7.245 198.885,-7.245 200.149,-8.508 200.149,-78.441 198.425,-80.165 191.375,-80.165 189.895,-81.645 189.895,-86.315 188.89,-87.32 85.66,-87.32 83.465,-85.125 83.465,-76.405 81.045,-73.985 81.045,-13.275 79.075,-11.305 68.375,-11.305 67.555,-10.485 67.555,-2.405
GND_S on Bottom Layer "NONET_L-01_P-001" (solid, remove dead copper, pour order 112): 148.906,-67.384 154.304,-67.384 155.91,-68.99 155.91,-78.39 153.61,-80.69 145.96,-80.69 144.93,-79.66 144.93,-75.21 145.252,-74.888 147.422,-74.888 148.27,-74.04 148.27,-68.02
IGND on Bottom Layer "NONET_L-01_P-001" (solid, remove dead copper, pour order 111): 146.49,-67.19 147.5,-68.2 147.5,-73.637 146.767,-74.37 144.82,-74.37 144.32,-74.87 144.32,-81.39 143.77,-81.94 135.67,-81.94 134.49,-80.76 134.49,-77.42 139.61,-72.3 139.61,-70.71 140.07,-70.25 140.07,-68.841 141.721,-67.19
PACK- on Bottom Layer "PACK-_L02_P029" (solid, remove dead copper, pour order 29): -10.959,-58.532 65.434,-58.532 66.064,-59.162 66.064,-65.052 66.628,-65.616 68.424,-65.616 68.927,-66.119 68.927,-84.456 68.268,-85.115 -0.054,-85.115 -1.124,-84.045 -1.124,-70.907 -5.189,-66.842 -11.367,-66.842 -11.745,-66.464 -11.745,-59.319
CD+_LS on Bottom Layer "CD+_LS_L02_P026" (solid, remove dead copper, pour order 26): -10.71,-40.021 65.648,-40.021 66.153,-39.515 66.153,-18.908 67.276,-17.786 69.384,-17.786 70.245,-18.647 70.245,-24.43 68.691,-25.985 68.691,-27.333 68.866,-27.333 70.575,-29.043 70.575,-64.059 69.943,-64.692 66.461,-64.692 66.435,-64.666 66.435,-58.969 65.066,-57.6 -10.987,-57.6 -11.406,-57.181 -11.406,-40.717
RS on Bottom Layer "RS_L02_P025" (solid, remove dead copper, pour order 25): -11.022,-26.853 61.581,-26.853 65.706,-30.978 65.706,-37.351 64.827,-38.23 -10.946,-38.23 -11.745,-37.431 -11.745,-27.576
B8 on Bottom Layer "NONET_L-01_P-001" (solid, remove dead copper, pour order 104): 106.667,-4.959 108.376,-6.668 106.908,-8.136 106.857,-8.136 105.739,-7.018 90.151,-7.018 88.45,-8.719 88.45,-23.709 88.18,-23.979 86.88,-23.979 86.46,-23.559 86.46,-7.739 89.24,-4.959 89.45,-4.959
B8 on Bottom Layer "NONET_L-01_P-001" (solid, remove dead copper, pour order 105): 78.5,-26.719 79.62,-26.719 80.44,-27.539 80.44,-30.309 78.09,-32.659 78.09,-36.873 79.97,-38.753 79.97,-63.469 85.21,-68.709 86.07,-68.709 86.89,-67.889 86.979,-67.978 86.979,-71.852 86.116,-70.989 84.49,-70.989 77.78,-64.279 77.78,-39.913 76,-38.133 76,-31.599 78.1,-29.499 78.1,-27.119
5V+ on Bottom Layer "NONET_L-01_P-001" (solid, remove dead copper, pour order 42): 166.86,-25.759 167.29,-26.189 167.29,-28.829 166.98,-29.139 156.812,-29.139 156.502,-28.829 156.502,-26.272 157.014,-25.759
B23 on Bottom Layer "NONET_L-01_P-001" (solid, remove dead copper, pour order 73): 143.18,-7.899 143.34,-8.059 143.34,-23.859 144.32,-24.839 144.32,-27.241 144.06,-27.502 142.573,-27.502 142.33,-27.259 142.33,-22.149 141.89,-21.709 141.89,-8.039 142.03,-7.899 142.19,-7.899
B21 on Bottom Layer "NONET_L-01_P-001" (solid, remove dead copper, pour order 72): 138.01,-7.879 139.16,-7.879 139.3,-8.019 139.3,-24.249 140.1,-25.049 140.1,-27.189 139.788,-27.502 138.573,-27.502 138.32,-27.249 138.32,-21.329 137.89,-20.899 137.89,-7.999
B19 on Bottom Layer "NONET_L-01_P-001" (solid, remove dead copper, pour order 71): 134.07,-7.889 135.19,-7.889 135.34,-8.039 135.34,-24.239 136.14,-25.039 136.14,-27.199 135.8,-27.539 134.61,-27.539 134.31,-27.239 134.31,-22.009 133.92,-21.619 133.92,-8.039